# Altium PCB ECU_FEST23_Rev1.PcbDoc (part 1 of 2)
Units mm, origin at the board's own origin, x right, y up, seen from the top; angles counter-clockwise.
Board outline 100 x 57.4 mm, 4 copper layers (Top Layer, GND, 3V3, Bottom Layer), stack 1.616 mm thick; 285 components, 166 nets, 870 pads, 807 vias.
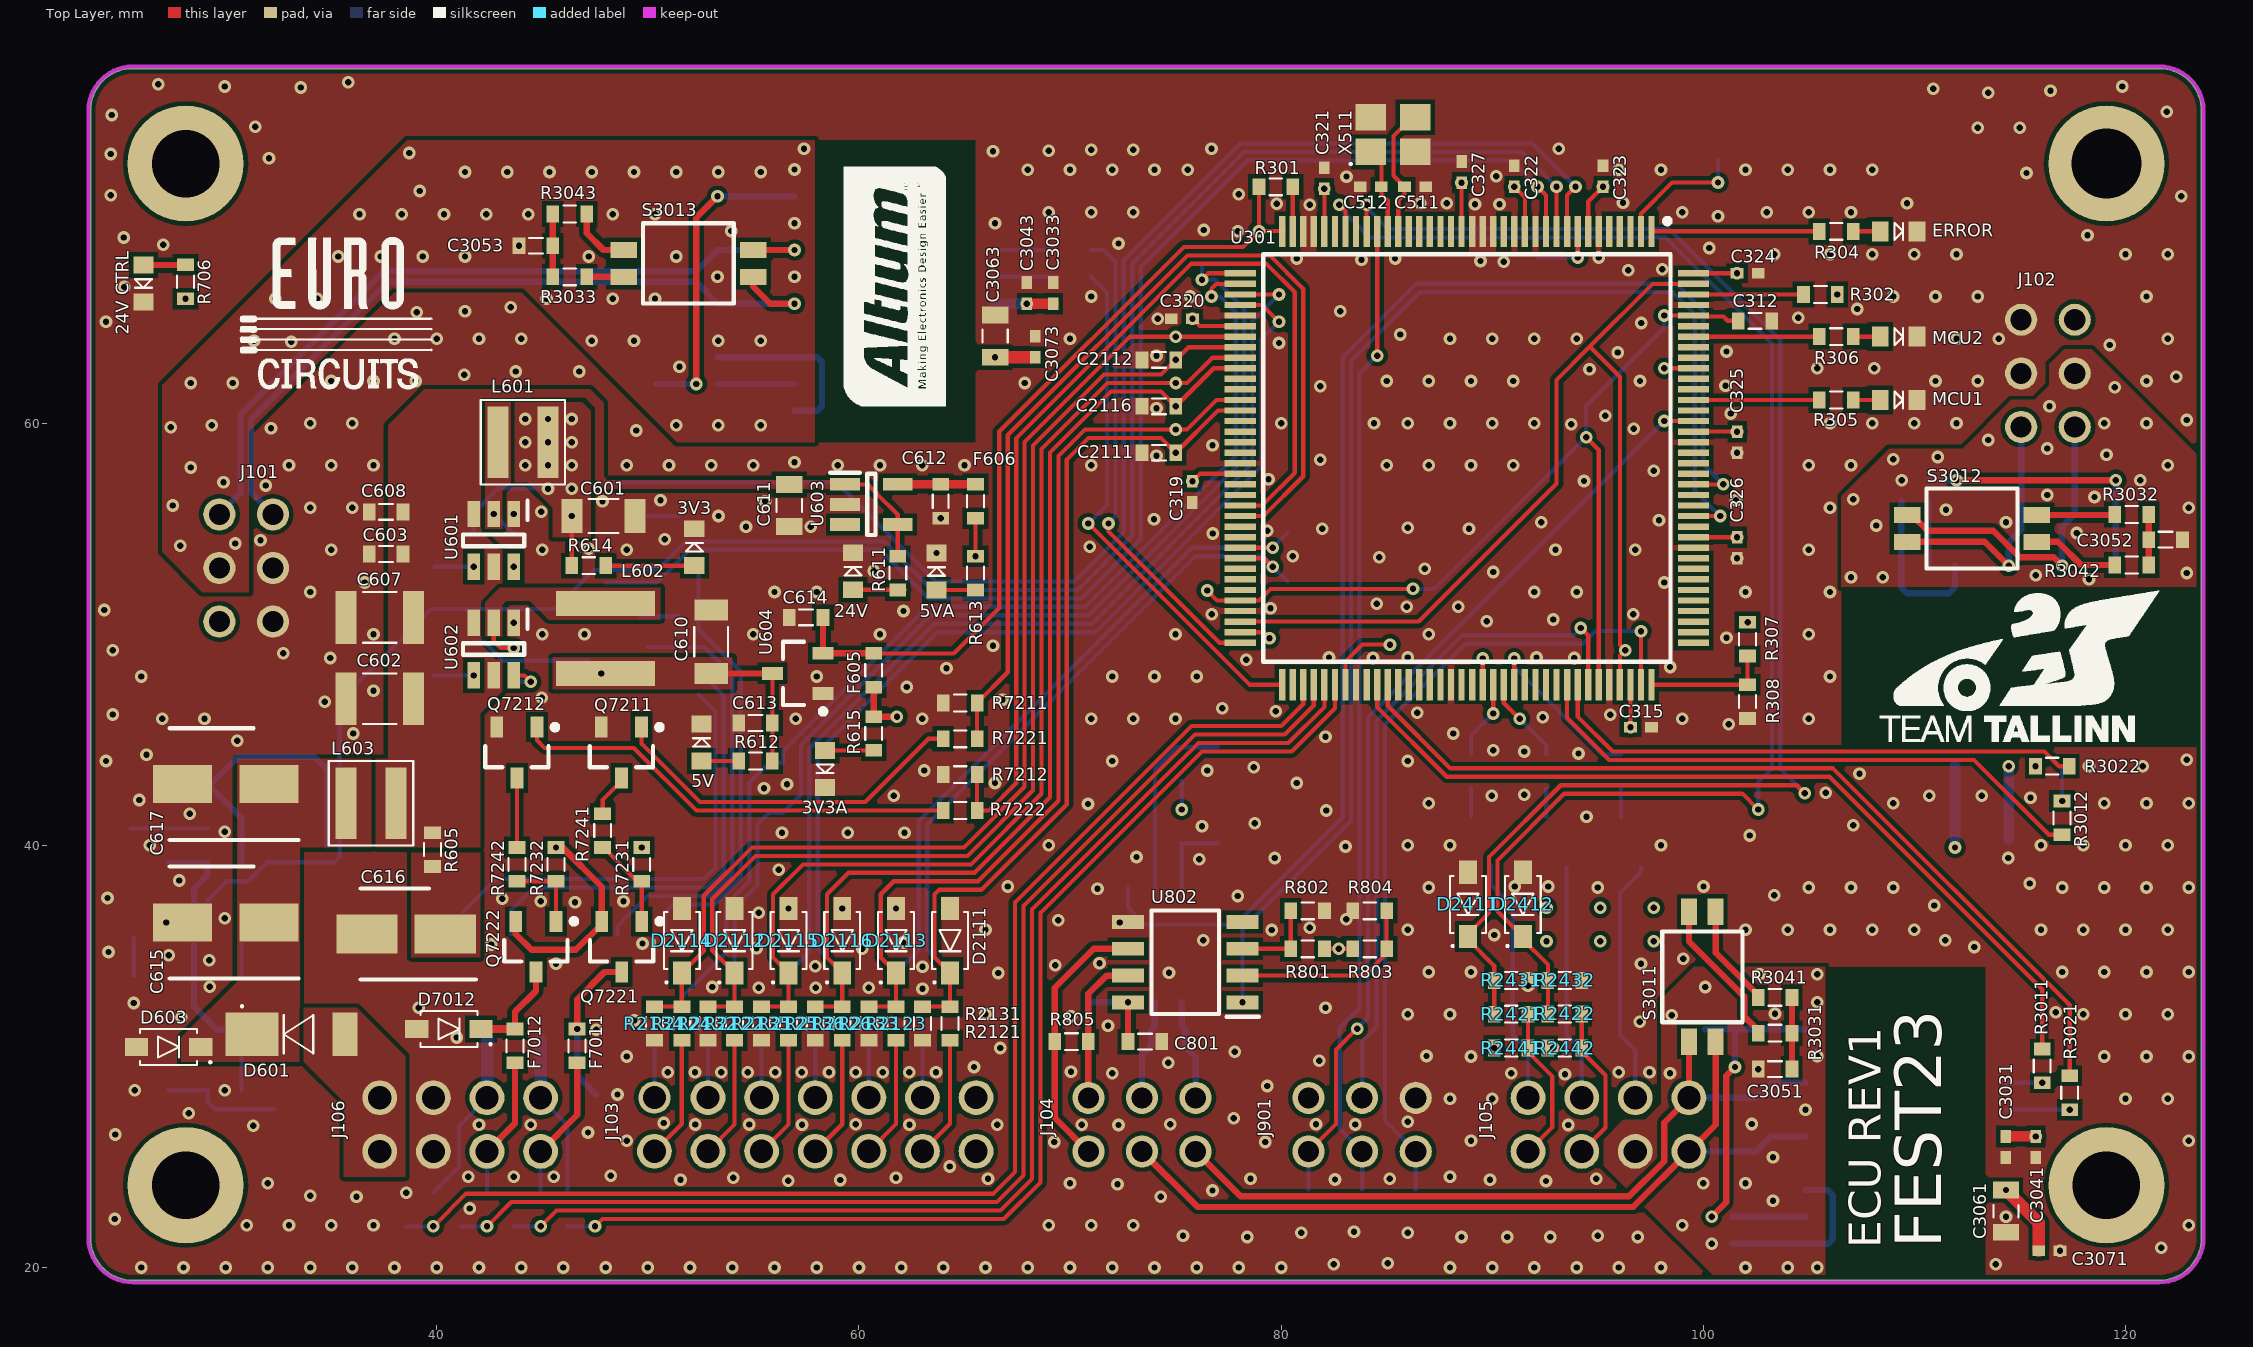
[diagram p0: Top Layer view]
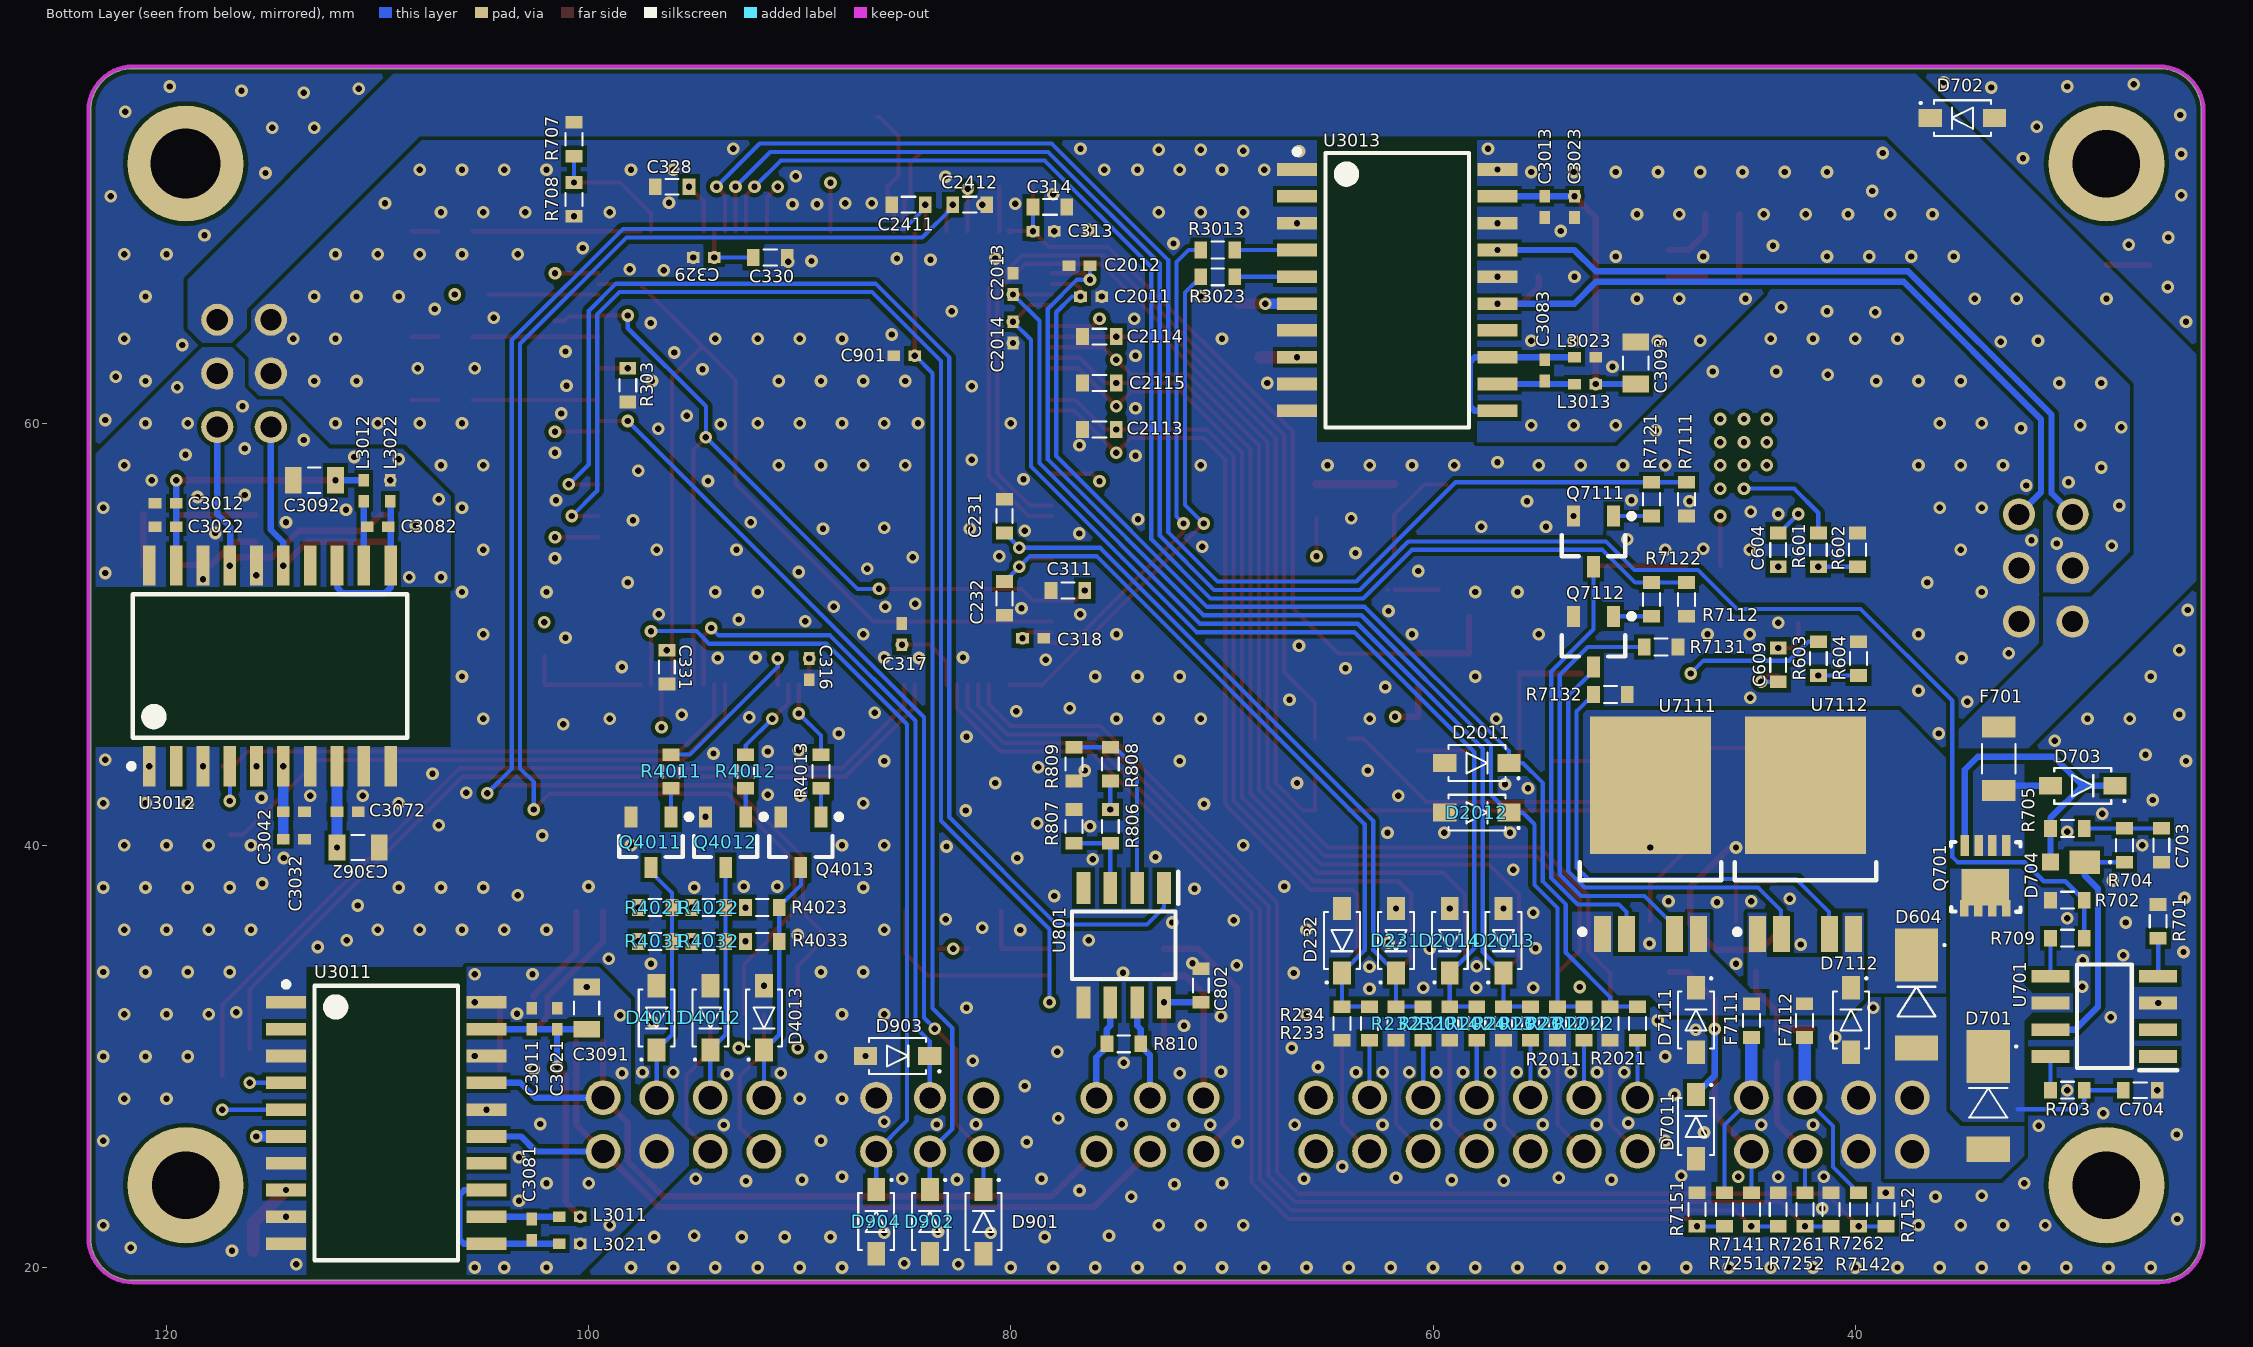
[diagram p1: Bottom Layer view, seen from below]
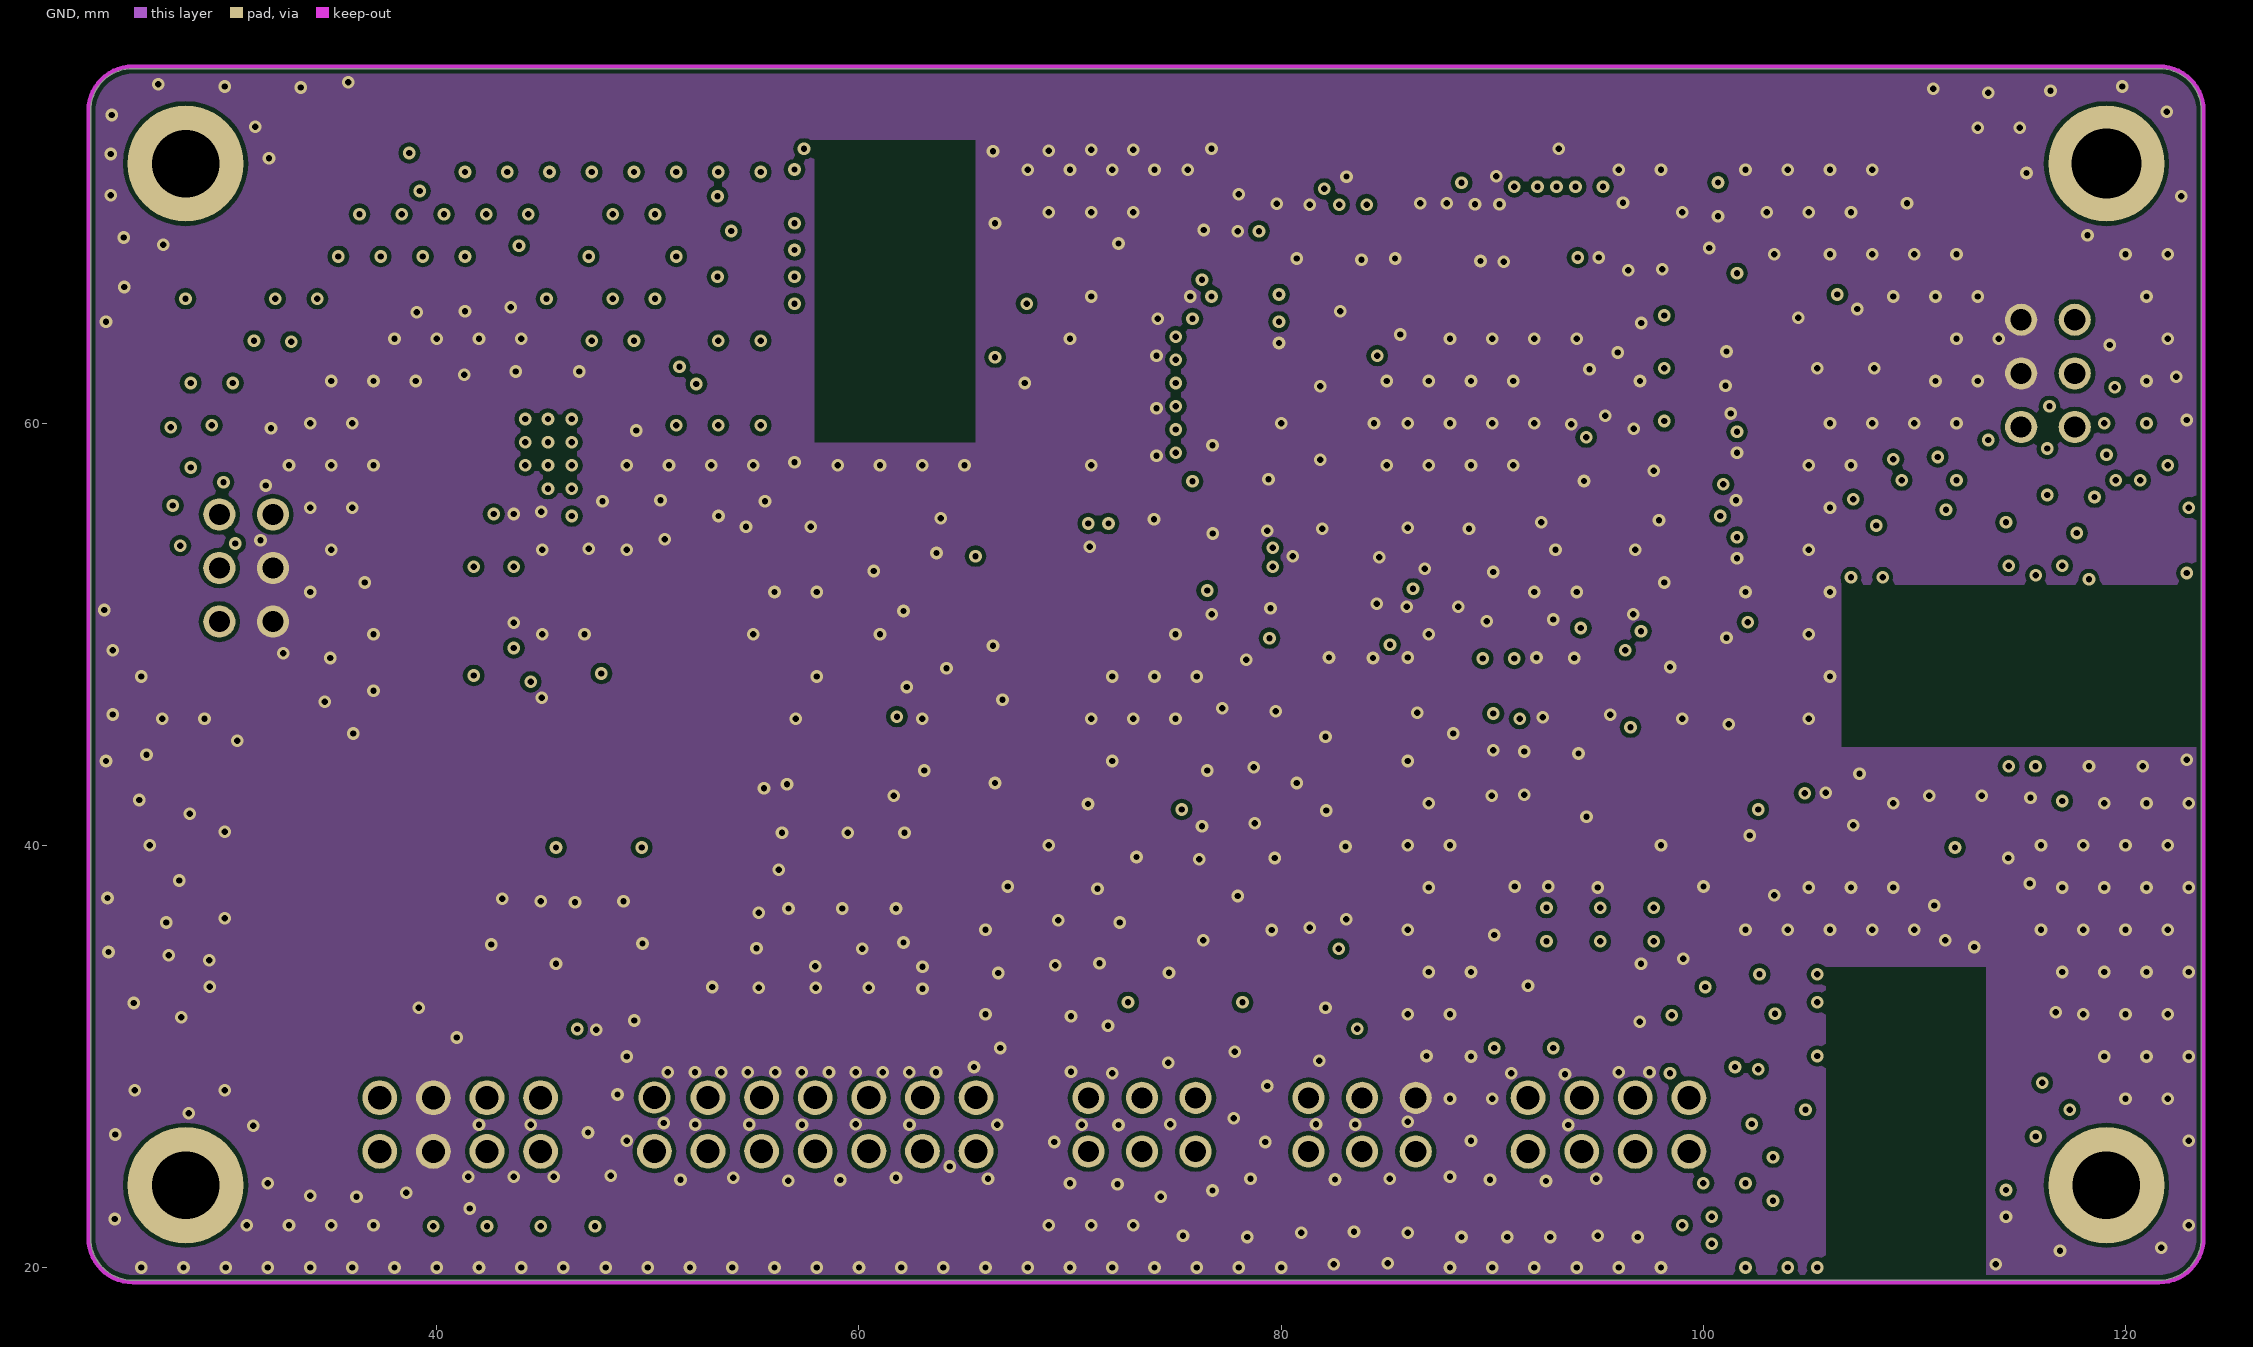
[diagram p2: GND]
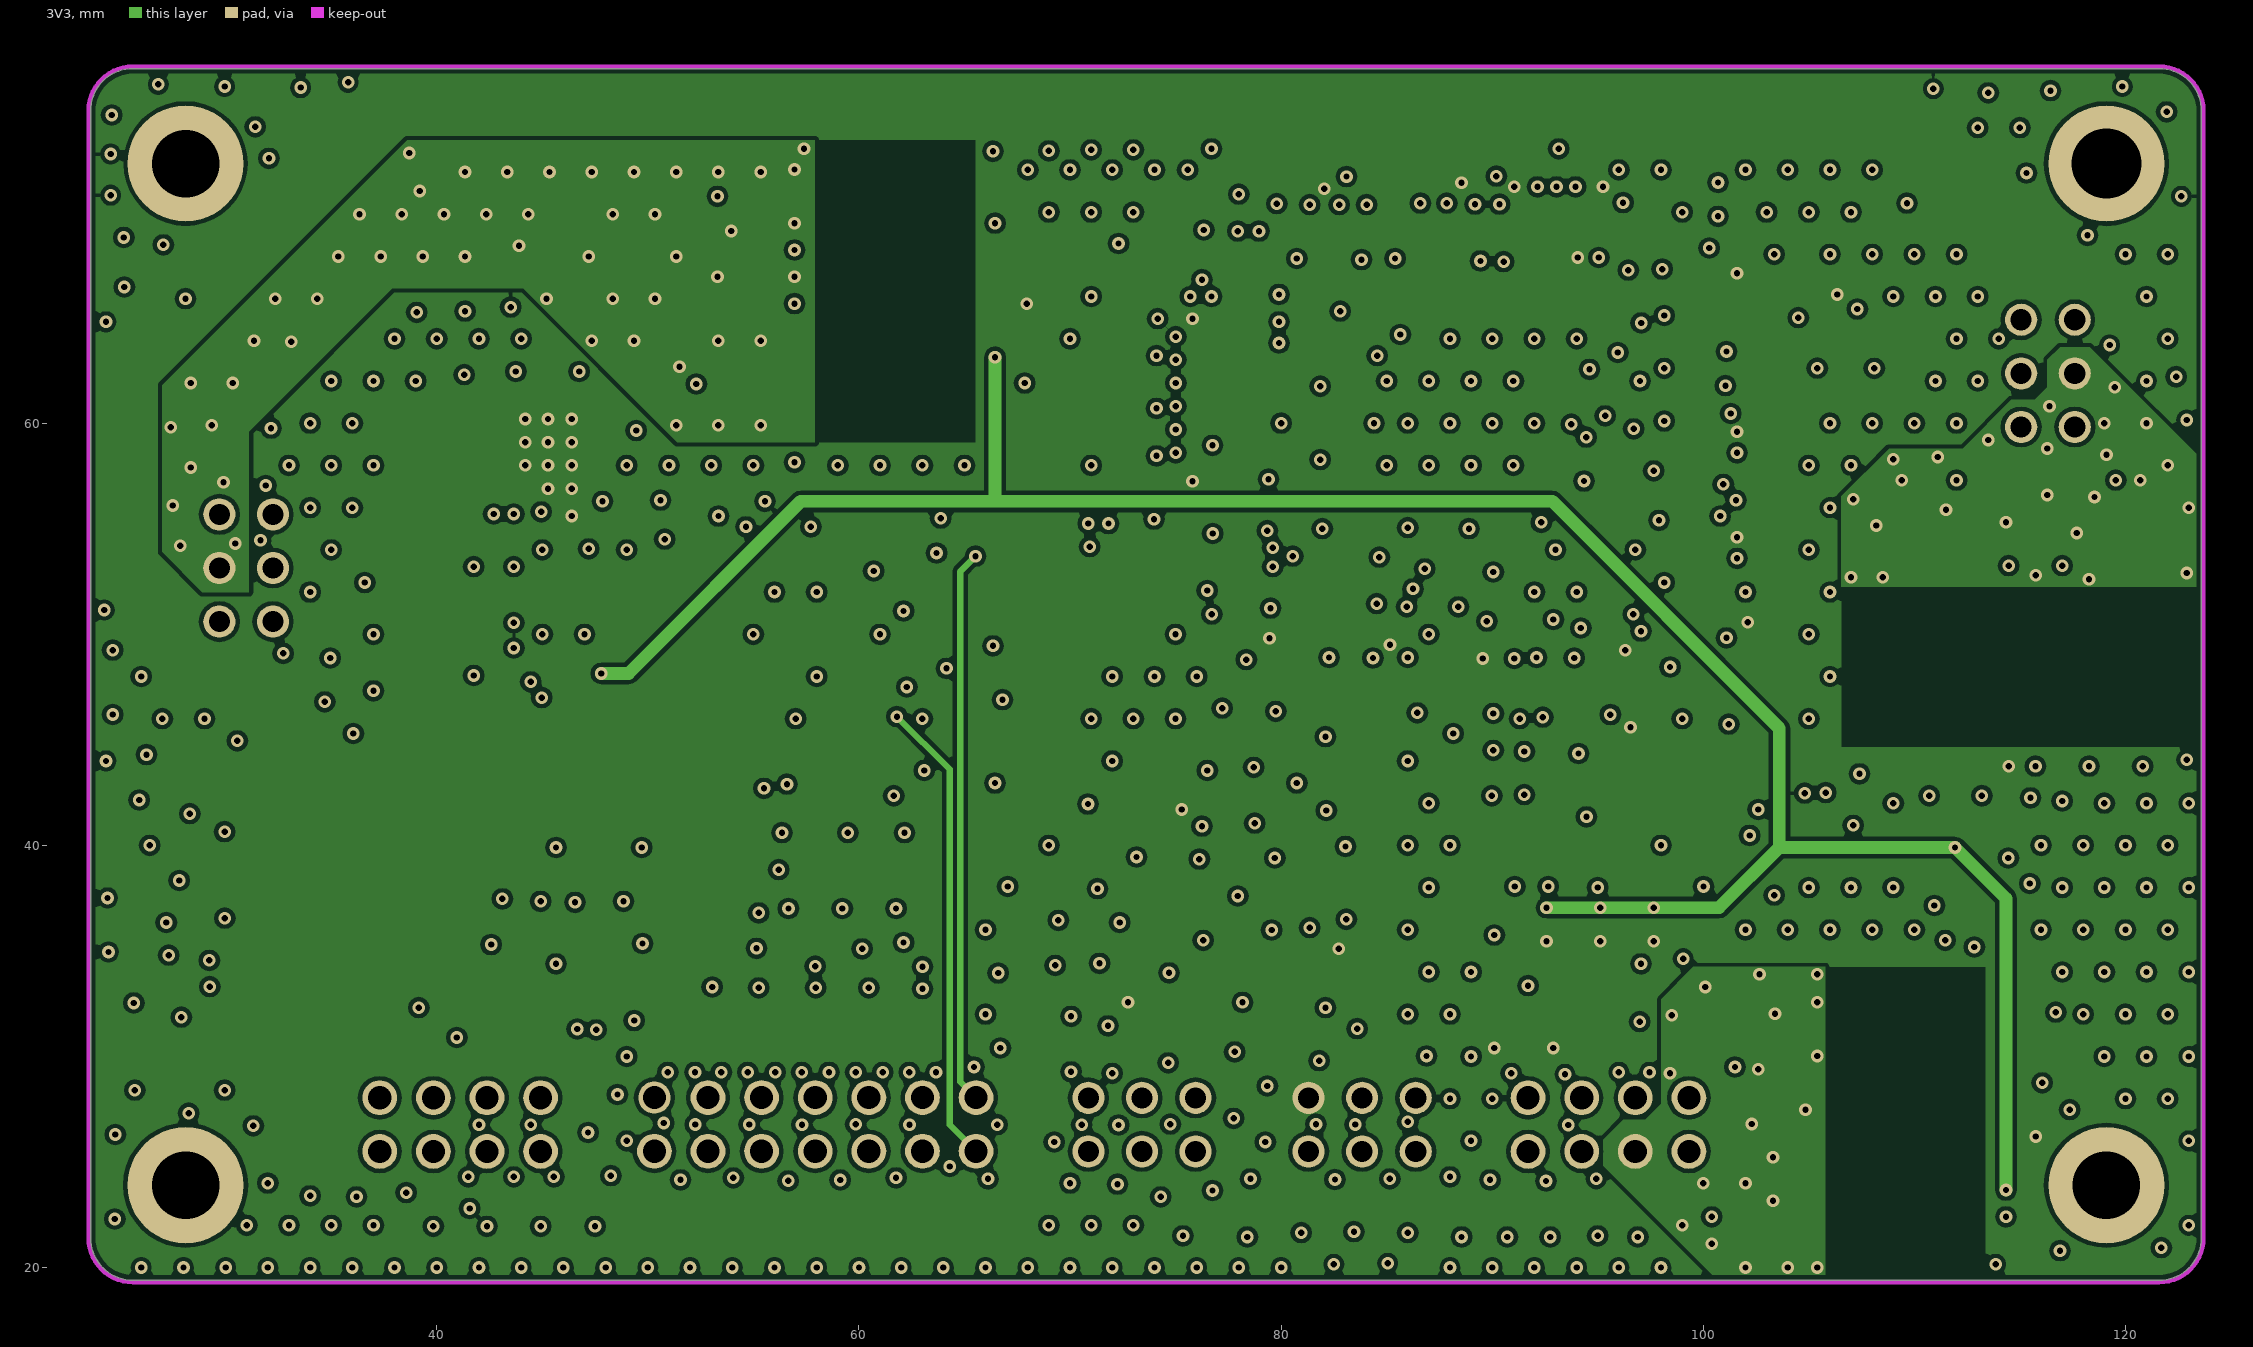
[diagram p3: 3V3]
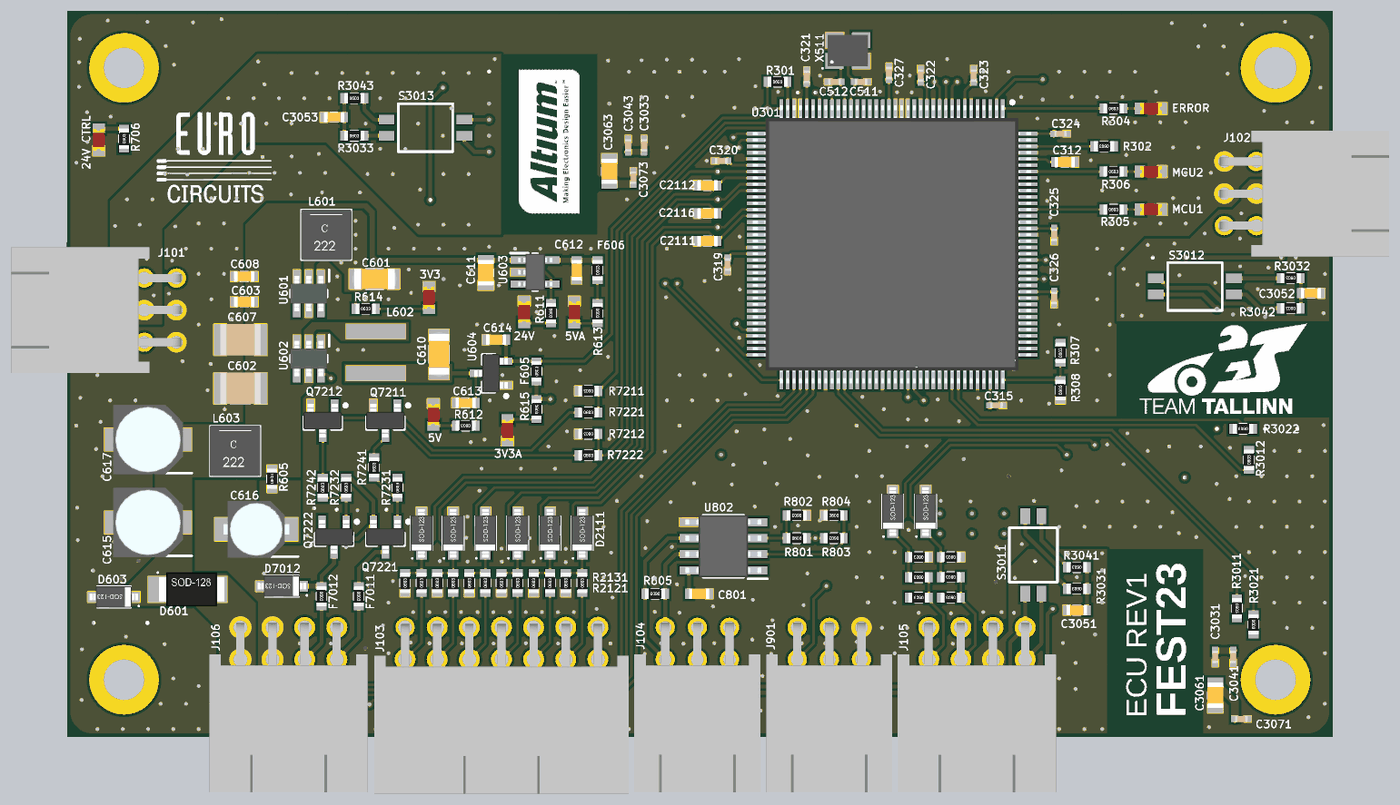
[diagram p5: 3D render of the assembled board from above, using the file's embedded part models]
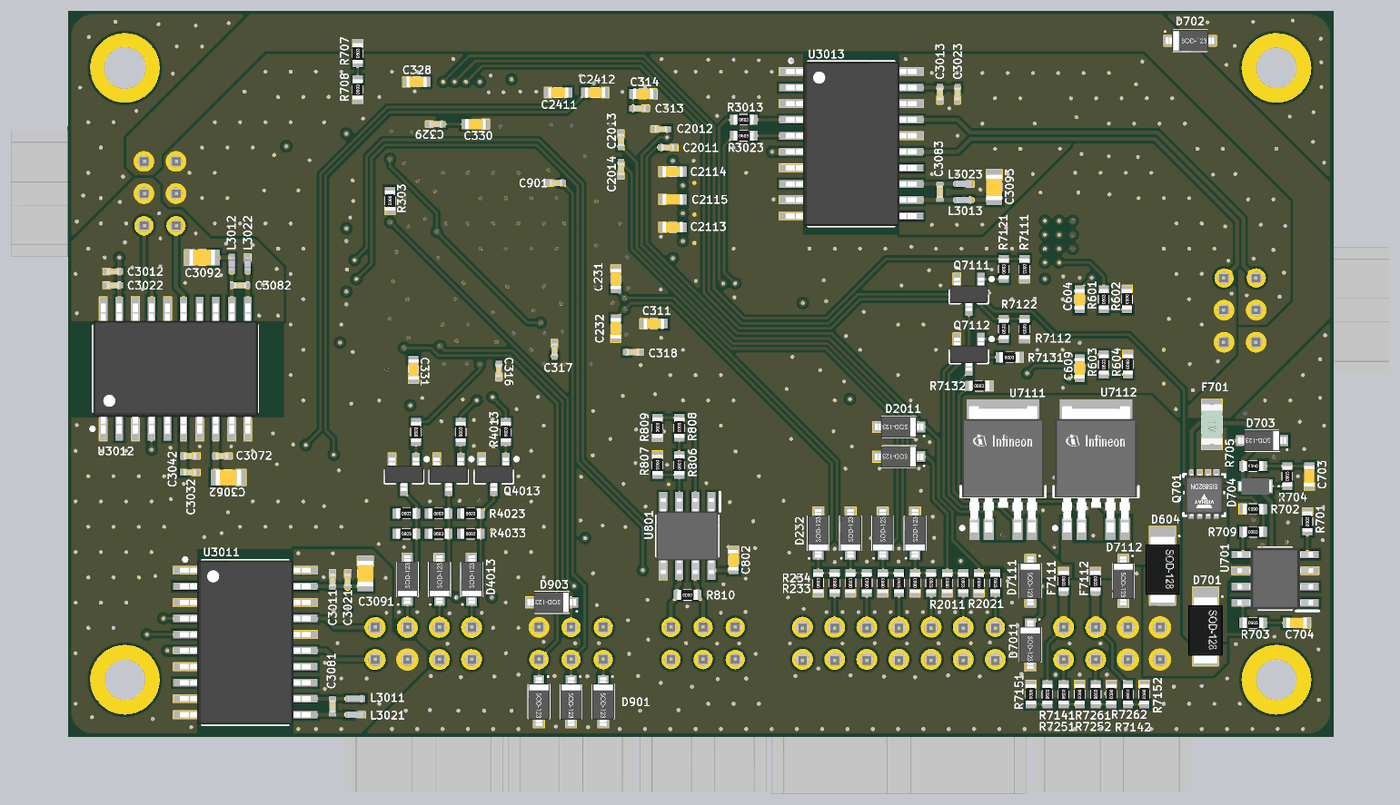
[diagram p6: 3D render of the assembled board from below, using the file's embedded part models]

## Layer stack, top to bottom
Top Solder: solder mask 0.02, Solder Resist, Dk 3.5
Top Layer: signal copper 0.053
Dielectric 1: core 0.18, FR-4, Dk 4.2
GND: signal copper 0.035
Dielectric 3: prepreg 1.08, Dk 4.2
3V3: signal copper 0.035
Dielectric 2: core 0.18, Dk 4.2
Bottom Layer: signal copper 0.053
Bottom Solder: solder mask 0.02, Solder Resist, Dk 3.5

## Board outline
23.6,21.4 ccw(c25.6,21.4) 25.6,19.4 121.6,19.4 ccw(c121.6,21.4) 123.6,21.4 123.6,74.8 ccw(c121.6,74.8) 121.6,76.8 25.6,76.8 ccw(c25.6,74.8) 23.6,74.8

## Design rules (kind name [scope] priority, off if disabled: settings)
BoardOutlineClearance [All] p1: gap=0.25 ignorepadtopadclearanceinfootprint=FALSE except(0: Arc-SplitContinuation Track-SplitContinuation SMDPad-SplitContinuation THPad-SplitContinuation Via-SplitContinuation Fill-SplitContinuation Poly-SplitContinuation Region-SplitContinuation Text-SplitContinuation)
Clearance Clearance-xPP-xTP-xTT [All] p1: gap=0.2 ignorepadtopadclearanceinfootprint=FALSE
ComponentClearance [All] p1 off: gap=0.254 collisioncheckmode=3 verticalgap=0.254 showdistances=FALSE
DiffPairsRouting [All] p1: maxlimit=0.25 minlimit=0.25 mostfreqgap=0.25 toplayer_minwidth=0.381 toplayer_maxwidth=0.381 toplayer_prefwidth=0.381 midlayer1_minwidth=0.381 midlayer1_maxwidth=0.381 midlayer1_prefwidth=0.381 midlayer2_minwidth=0.381 midlayer2_maxwidth=0.381 midlayer2_prefwidth=0.381 bottomlayer_minwidth=0.381 bottomlayer_maxwidth=0.381 bottomlayer_prefwidth=0.381 maxuncoupledlength=12.5
Height [All] p1 off: minheight=0 maxheight=25.4 prefheight=12.7
HoleSize HoleSize-PTH [All] p1: absolutevalues=TRUE maxlimit=4 minlimit=0.25 maxpercent=80.000 minpercent=20.000
HoleToHoleClearance [All] p1: gap=0.35 allowstackedmicrovias=TRUE
MinimumAnnularRing "Minimum IAR  >0.45mm" [((ObjectKind = 'Pad') OR (ObjectKind = 'Via')) And (Layer = 'MultiLayer') And (HoleDiameter > AsMM(0.45))] p1: minimumring=0.15 // minimum inner annular ring for pads > 0.45mm finished hole size
MinimumAnnularRing "Minimum IAR <=0.45mm" [((ObjectKind = 'Pad') OR (ObjectKind = 'Via')) And (Layer = 'MultiLayer') And (HoleDiameter <= AsMM(0.45))] p2: minimumring=0.15 // minimum inner annular ring for pads <= 0.45mm finished hole size
MinimumSolderMaskSliver [All] p1: minsoldermaskwidth=0.075
PlaneClearance PlaneClearance-IPI [All] p1: clearance=0.2
PlaneConnect [All] p1: planeconnectstyle=Direct reliefexpansion=0.175 reliefentries=4 reliefconductorwidth=0.2 reliefairgap=0.2
PolygonConnect PolygonConnect-xTW [All] p1: connectstyle=Direct reliefconductorwidth=0.2 reliefentries=4 polygonreliefangle="90 Angle" airgapwidth=0.2
RoutingCorners [All] p1: cornerstyle=45-Degree minsetback=2.5 maxsetback=2.5
RoutingVias [(ObjectKind = 'Via')] p1: holewidth=0.3 width=0.6 viastyle="Through Hole" minholewidth=0.25 minwidth=0.6 maxholewidth=0.45 maxwidth=0.8 viatemplateguid#1={8812EE46-A05E-40FE-A134-24E22C5E672C} viatemplatename#1=v60h30m0mx0 // finishet hole size <= 0.45mm
SilkToSilkClearance [All] p1: silktosilkclearance=0.1
SilkToSolderMaskClearance SilkscreenOverComponentPads [IsPad] p1: minsilkscreentomaskgap=0.125 clearancetoexposedcopper=TRUE
SolderMaskExpansion SolderMaskExpansion_Via [IsVia] p1: expansion=0.102 istentingtop=FALSE
SolderMaskExpansion [All] p2: expansion=0.05 istentingtop=FALSE
UnRoutedNet [All] p1: checkbadconnections=TRUE
Width Width-xTW [All] p1: maxlimit=1.5 minlimit=0.15 preferedwidth=0.2
18 further rules are at their usual default settings.

## Classes and differential pairs
channel class Temperature_inputs: Temperature_inputs1 Temperature_inputs2 Temperature_inputs3 Temperature_inputs4 Temperature_inputs5 Temperature_inputs6
channel class Switched_Power2: Switched_Power21 Switched_Power22
channel class Switched_Power1: Switched_Power11 Switched_Power12
channel class LinearSensor_inputs: LinearSensor_inputs1 LinearSensor_inputs2 LinearSensor_inputs3 LinearSensor_inputs4
channel class Digital_signals: Digital_signals1 Digital_signals2 Digital_signals3 Digital_signals4 Digital_signals5
channel class DigiAnalog_Spare: DigiAnalog_Spare1 DigiAnalog_Spare2 DigiAnalog_Spare3 DigiAnalog_Spare4 DigiAnalog_Spare6 DigiAnalog_Spare7 RS485_transceiver
channel class CAN_CTRL: CAN_CTRL1 CAN_CTRL2 CAN_CTRL3
net class Temp[1..6]: Temp1 Temp2 Temp3 Temp4 Temp5 Temp6
net class PWM_Sig_MCU[1..3]: PWM_Sig_MCU1 PWM_Sig_MCU2 PWM_Sig_MCU3
net class PWM_Sig[1..3]: PWM_Sig1 PWM_Sig2 PWM_Sig3
net class MCU_Temp[1..6]: MCU_Temp1 MCU_Temp2 MCU_Temp3 MCU_Temp4 MCU_Temp5 MCU_Temp6
net class MCU_LinearSens[1..4]: MCU_LinearSens1 MCU_LinearSens2 MCU_LinearSens3 MCU_LinearSens4
net class MCU_DigiAnalog[1..2]: MCU_DigiAnalog1 MCU_DigiAnalog2
net class LowPWR_Switch[1..2]: LowPWR_Switch1 LowPWR_Switch2
net class LowPWR_OUT[1..2]: LowPWR_OUT1 LowPWR_OUT2
net class LowPWR_Check[1..2]: LowPWR_Check1 LowPWR_Check2
net class LinearSens[1..4]: LinearSens1 LinearSens2 LinearSens3 LinearSens4
net class HighPWR_Switch[1..2]: HighPWR_Switch1 HighPWR_Switch2
net class HighPWR_OUT[1..2]: HighPWR_OUT1 HighPWR_OUT2
net class HighPWR_Check[1..2]: HighPWR_Check1 HighPWR_Check2
net class GND_CAN[1..3]: GND_CAN1 GND_CAN2 GND_CAN3
net class DigiAnalog_IN[1..2]: DigiAnalog_IN1 DigiAnalog_IN2
net class CANL[1..3]: CANL1 CANL2 CANL3
net class CANH[1..3]: CANH1 CANH2 CANH3
net class CAN_TX[1..3]: CAN_TX1 CAN_TX2 CAN_TX3
net class CAN_RX[1..3]: CAN_RX1 CAN_RX2 CAN_RX3
component class Temperature_inputs6: C2116 D2116 R2126 R2136
component class Temperature_inputs5: C2115 D2115 R2125 R2135
component class Temperature_inputs4: C2114 D2114 R2124 R2134
component class Temperature_inputs3: C2113 D2113 R2123 R2133
component class Temperature_inputs2: C2112 D2112 R2122 R2132
component class Temperature_inputs1: C2111 D2111 R2121 R2131
component class Switched_Power22: D7012 F7012 Q7212 Q7222 R7212 R7222 R7232 R7242 R7252 R7262
component class Switched_Power21: D7011 F7011 Q7211 Q7221 R7211 R7221 R7231 R7241 R7251 R7261
component class Switched_Power12: D7112 F7112 Q7112 R7112 R7122 R7132 R7142 R7152 U7112
component class Switched_Power11: D7111 F7111 Q7111 R7111 R7121 R7131 R7141 R7151 U7111
component class PWR_CTRL: "24V CTRL" C703 C704 D701 D702 D703 D704 F701 Q701 R701 R702 R703 R704 R705 R706 R707 R708 R709 U701
component class Power: C601 C602 C603 C604 C607 C608 C609 C610 C611 C612 C613 C614 C615 C616 C617 D601 D603 D604 F605 F606 L601 L602 L603 R601 R602 R603 R604 R605 U601 U602 U603 U604
component class Power_check: 3V3 3V3A 5V 5VA 24V R611 R612 R613 R614 R615
component class MCU: ERROR MCU1 MCU2 R301 R302 R303 R304 R305 R306 R307 R308 U301
component class LinearSensor_inputs4: C2014 D2014 R2014 R2024
component class LinearSensor_inputs3: C2013 D2013 R2013 R2023
component class LinearSensor_inputs2: C2012 D2012 R2012 R2022
component class LinearSensor_inputs1: C2011 D2011 R2011 R2021
component class Digital_signals3: D4013 Q4013 R4013 R4023 R4033
component class Digital_signals2: D4012 Q4012 R4012 R4022 R4032
component class Digital_signals1: D4011 Q4011 R4011 R4021 R4031
component class Digital_inputs: C231 C232 D231 D232 R231 R232 R233 R234
component class RS485_transceiver: C801 C802 R801 R802 R803 R804 R805 R806 R807 R808 R809 R810 U801 U802
component class DigiAnalog_Spare2: C2412 D2412 R2422 R2432 R2442
component class DigiAnalog_Spare1: C2411 D2411 R2421 R2431 R2441
component class Decoupling: C311 C312 C313 C314 C315 C316 C317 C318 C319 C320 C321 C322 C323 C324 C325 C326 C327 C328 C329 C330 C331
component class Debug: C901 D901 D902 D903 D904 J901
component class Crystal_Oscillator: C511 C512 X511